# Altium PCB spd150.PcbDoc (part 7 of 16)
Units mm, origin at the board's own origin, x right, y up, seen from the top; angles counter-clockwise.
Board outline 217.35 x 147.5 mm, 10 copper layers (TOP, LYR2-PLN, LYR3-SIG, LYR4-SIG, LYR5-PLN, LYR6-PLN, LYR7-SIG, LYR8-SIG, LYR9-PLN, BOTTOM), stack 2.134 mm thick; 1065 components, 972 nets, 4226 pads, 2810 vias.
Unrouted connection lines stored in the file: 16.
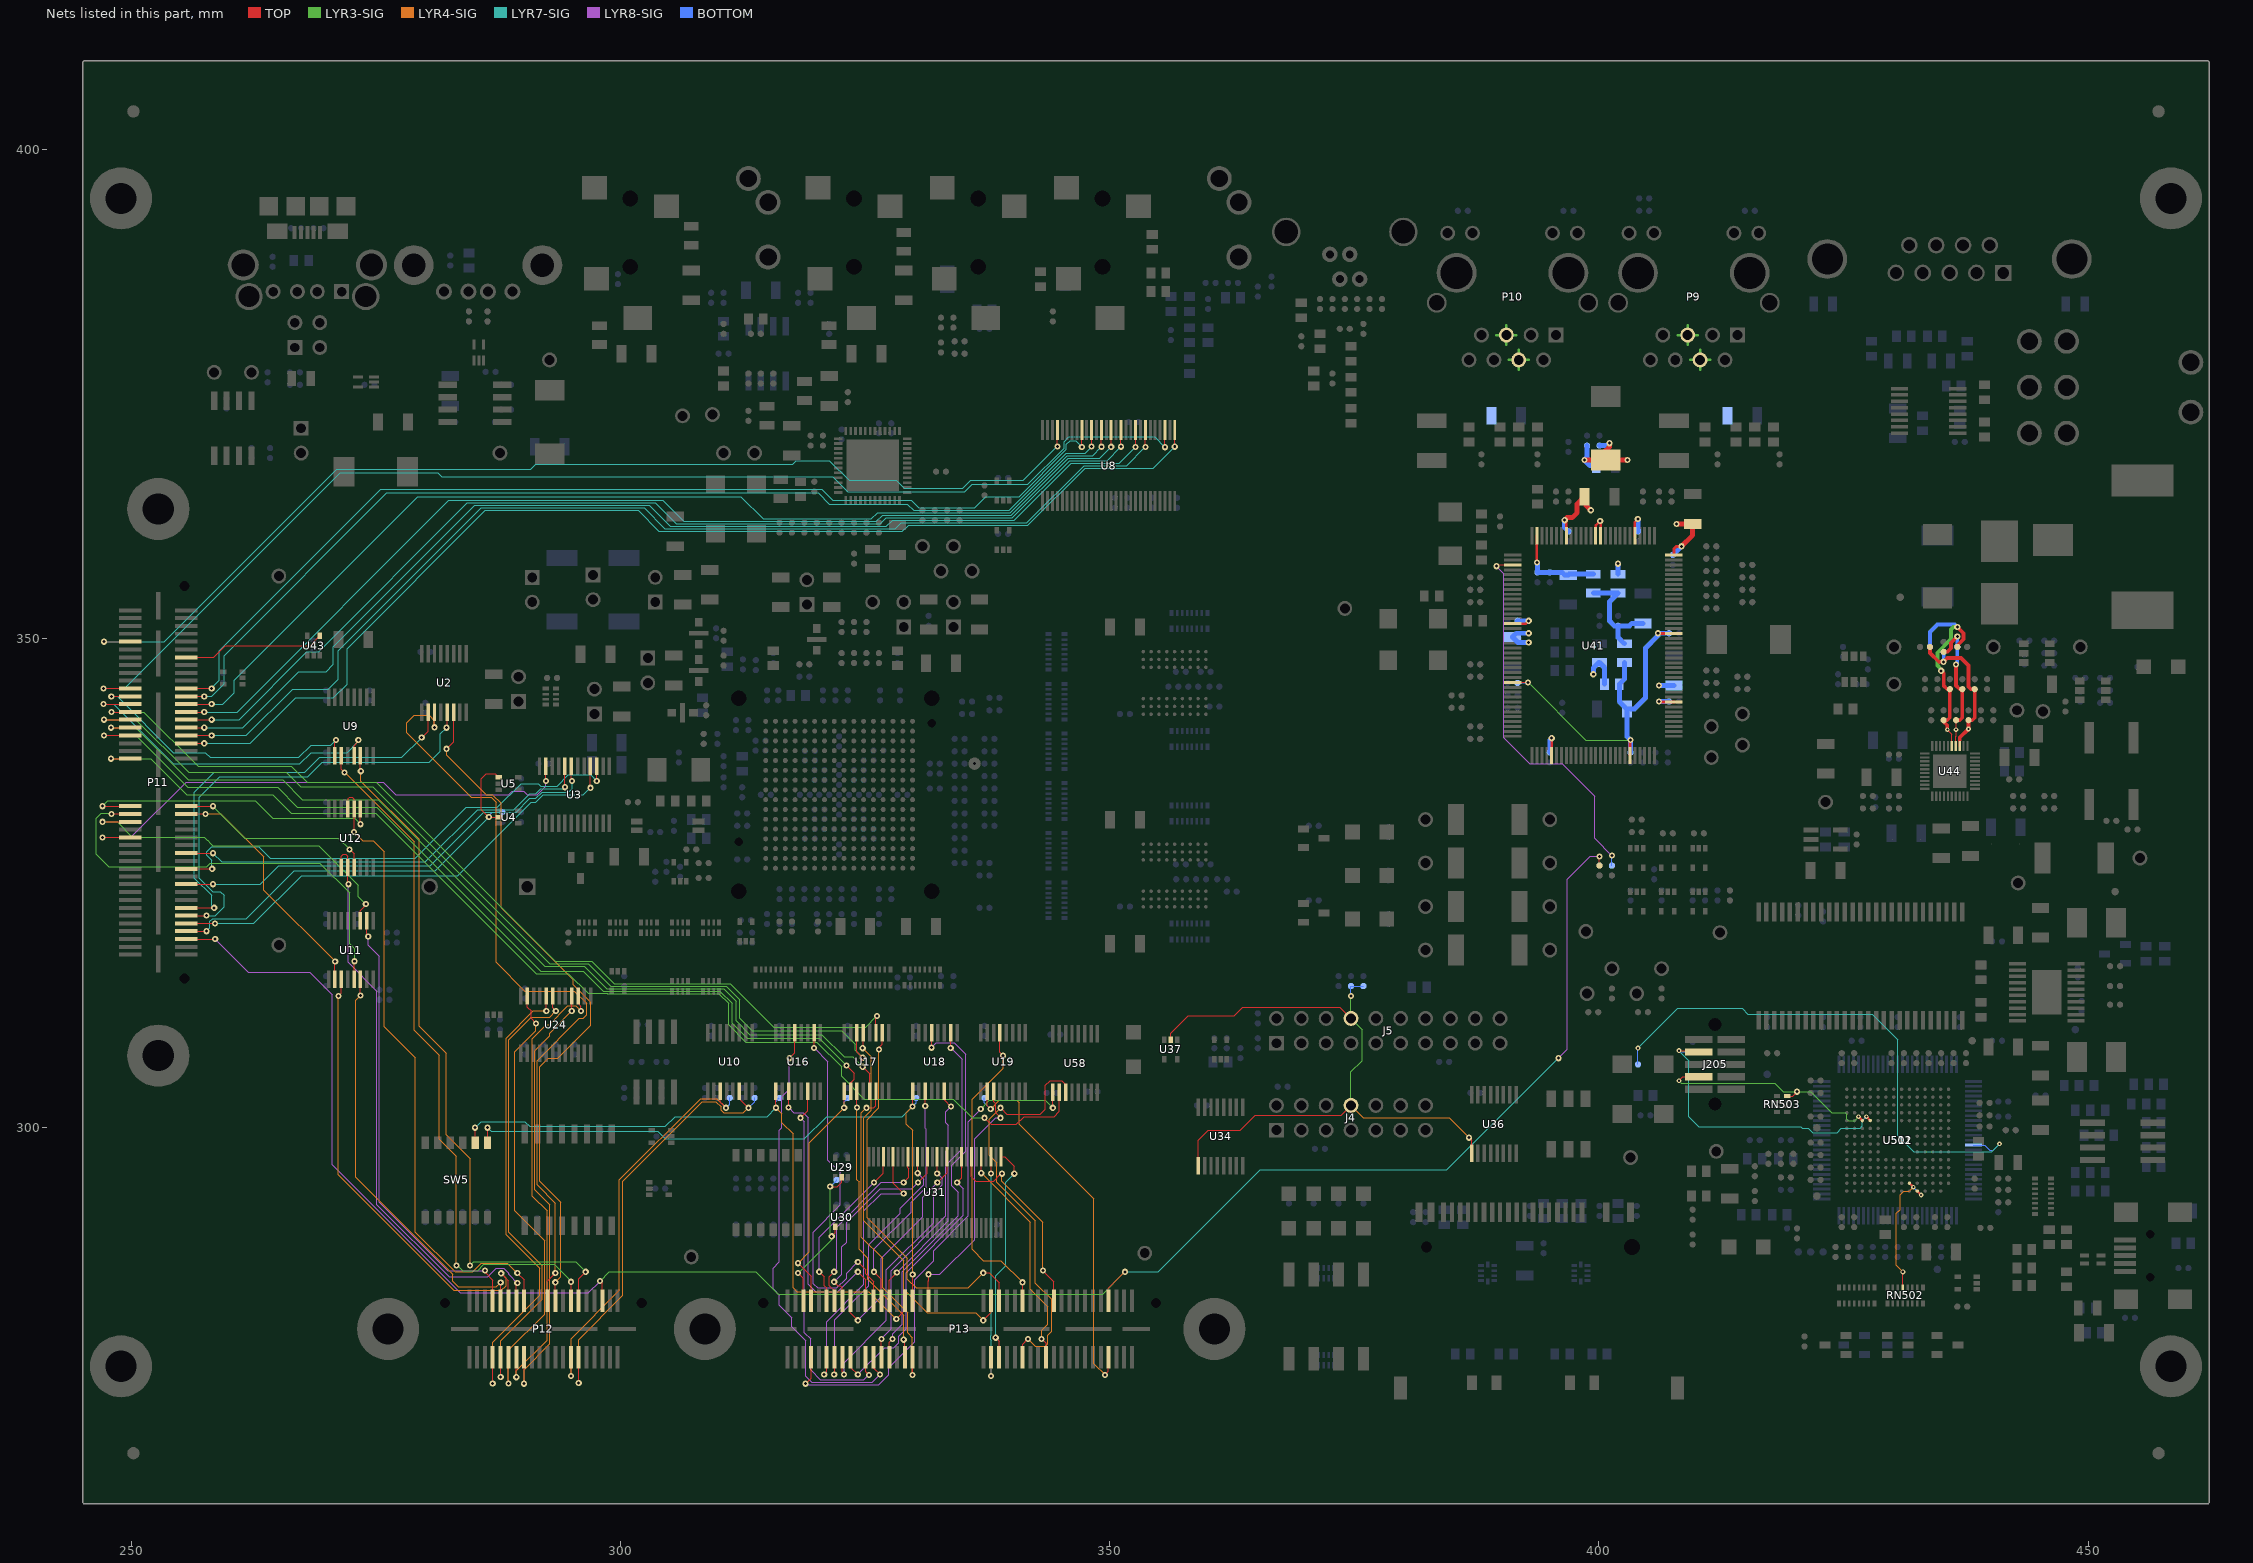
[diagram p15: the nets of this part, all layers, seen from the top]

## Via types
v1: diameter 0.635, hole 0.305, TOP to BOTTOM, 2018 vias
v2: diameter 0.483, hole 0.203, TOP to BOTTOM, 651 vias
v3: diameter 0.508, hole 0.254, TOP to BOTTOM, 120 vias
v4: diameter 0.559, hole 0.254, TOP to BOTTOM, 21 vias

## Nets (pads, with @x,y where several pads share a name; then routed paths per layer and width w, separated by ;. In a path a pad name is that pad's centre, name@x,y a point inside that pad or via, vN(x,y) a via of type N, cw(c..) or ccw(c..) an arc to the next point about the centre after c; other vN are vias at no path point) (continued)
EMU05509: J205.4 R514.2 U502.K11 | length 31.1
  TOP w0.127: v3(408.178,307.848) 410.083,307.848 J205.4@410.21,307.721
  TOP w0.254: v2(427.327,301.104) U502.K11@427.728,300.706
  LYR7-SIG w0.102: 422.783,299.453 424.345,299.453 424.574,299.682 424.574,299.71 424.774,299.911 426.692,299.911 426.933,300.152 426.933,300.711 v2(427.327,301.104)
  LYR7-SIG w0.127: v3(408.178,307.848) 409.194,306.832 409.194,301.087 410.218,300.063 420.629,300.063 420.794,299.898 421.386,299.898 421.83,299.453 422.783,299.453
  BOTTOM w0.127: v3(408.178,307.848) 408.305,307.721 R514.2@409.575,307.721
EMU15509: J205.8 RN503.8 U502.K12 | length 24.5
  TOP w0.127: v3(408.178,304.775) 408.178,304.8 408.559,305.181 J205.8@410.21,305.181 ; RN503.8@419.24,303.21 419.796,303.21 v1(420.243,303.657)
  TOP w0.254: v2(426.527,301.104) U502.K12@426.928,300.706
  LYR3-SIG w0.102: 422.783,302.514 423.799,301.498 425.196,301.498 425.323,301.371 425.323,300.863 425.475,300.711 426.133,300.711 v2(426.527,301.104)
  LYR3-SIG w0.127: v3(408.178,304.775) 408.407,304.546 417.957,304.546 418.846,303.657 v1(420.243,303.657) 421.64,303.657 422.783,302.514
EMU_STS: C149.1 J4.8 J5.8 R174.1 U34.1 U36.1 U37.2 | length 69.9
  TOP w0.127: U37.2@356.235,308.966 356.235,309.626 358.013,311.404 362.712,311.404 363.601,312.293 373.507,312.293 J5.8@374.65,311.15 ; U34.1@359.039,296.098 359.039,298.714 360.045,299.72 363.347,299.72 364.871,301.244 373.634,301.244 J4.8@374.65,302.26 ; v1(386.715,298.958) 386.979,298.694 U36.1@386.979,297.368
  LYR3-SIG w0.127: J4.8@374.65,302.26 374.65,305.689 375.793,306.832 375.793,310.007 J5.8@374.65,311.15 v1(374.65,313.436)
  LYR4-SIG w0.127: J4.8@374.65,302.26 375.92,300.99 384.683,300.99 v1(386.715,298.958)
  BOTTOM w0.127: v1(374.65,313.436) R174.1@374.65,314.452 C149.1@375.92,314.452
ENABLE_1V2: C269.1 R329.2 R359.2 R360.2 U44.25 | length 22
  TOP w0.127: v2(435.61,340.665) 436.065,340.21 U44.25@436.065,338.988
  TOP w0.381: v1(434.975,346.685) 435.229,346.431 435.229,345.186 435.61,344.805 R329.2@435.864,344.805 435.864,341.884 435.61,341.63 C269.1@435.229,341.63 435.229,341.503 435.61,341.122 v2(435.61,340.665) ; R360.2@436.626,349.123 436.626,349.275 437.261,349.91 437.261,350.52 v1(436.626,351.155)
  LYR3-SIG w0.381: v1(434.975,346.685) 434.972,346.834 434.594,347.213 434.594,348.529 435.991,349.926 435.991,350.901 436.245,351.155 v1(436.626,351.155)
  BOTTOM w0.381: R359.2@433.832,349.123 433.832,350.647 434.594,351.409 436.372,351.409 v1(436.626,351.155)
ENABLE_1V8: C268.1 R328.2 R361.2 R362.2 U44.24 | length 14.5
  TOP w0.127: U44.24@436.463,338.988 436.463,339.979 436.499,340.015 v2(436.499,340.665) C268.1@436.499,341.63
  TOP w0.381: R361.2@435.229,348.615 435.61,348.615 435.991,348.996 435.991,349.555 v1(436.626,350.19) ; C268.1@436.499,341.63 436.88,341.63 437.134,341.884 R328.2@437.134,344.805 436.88,344.805 436.499,345.186 v1(436.499,347.32)
  BOTTOM w0.381: v1(436.499,347.32) 436.626,347.447 R362.2@436.626,349.123 v1(436.626,350.19)
ENABLE_3V3: C267.1 R327.2 R364.2 R365.2 U44.23 | length 16
  TOP w0.203: U44.23@436.865,338.988 436.865,339.598
  TOP w0.381: R365.2@433.832,349.123 433.832,348.488 434.721,347.599 v1(435.229,347.599) 435.61,347.98 437.007,347.98 437.769,347.218 437.769,345.059 438.023,344.805 R327.2@438.404,344.805 438.404,341.884 438.15,341.63 C267.1@437.769,341.63 v2(437.769,340.741) 436.865,339.837 436.865,339.598
  BOTTOM w0.381: v1(435.229,347.599) R364.2@435.229,348.615
ENET_1V2: C212.1 C213.1 L20.1 L22.1 L23.1 | length 11.6
  BOTTOM w0.508: L22.1@399.415,354.635 L23.1@401.955,354.635 401.066,353.746 401.066,351.79 401.574,351.282 C213.1@401.955,351.282 ; L20.1@402.59,349.453 401.955,350.088 C213.1@401.955,351.282 ; C212.1@404.495,351.536 403.352,351.536 403.098,351.282 C213.1@401.955,351.282
ENET_RESET: R354.1 U41.67 | length 39.2
  TOP w0.127: v1(389.509,357.378) 389.639,357.508 U41.67@391.185,357.508
  LYR8-SIG w0.127: v1(389.509,357.378) 390.271,356.616 390.271,339.852 392.938,337.185 396.24,337.185 399.542,333.883 399.542,329.565 v1(401.32,327.787)
  BOTTOM w0.127: R354.1@401.32,326.771 v1(401.32,327.787)
ENET_VDDA: C220.1 C221.1 C222.1 C223.1 C224.1 L23.2 U41.38 U41.43 U41.57 | length 19.5
  TOP w0.254: v1(396.494,362.077) 396.662,361.909 U41.57@396.662,360.477 ; U41.43@403.669,360.477 403.669,361.881 v1(403.972,362.184)
  TOP w0.305: U41.38@407.645,358.508 407.645,359.131 407.924,359.41 v1(408.432,359.41)
  TOP w0.508: v1(396.494,362.077) 396.748,362.331 397.256,362.331 397.764,362.839 397.764,363.728 C220.1@398.526,364.49 398.653,364.363 398.653,363.601 v1(399.161,363.093) ; v1(407.924,361.696) C221.1@409.575,361.696 409.575,360.553 v1(408.432,359.41)
  BOTTOM w0.508: v1(396.494,362.077) 396.494,361.315 C224.1@396.875,360.934 ; L23.2@401.955,356.565 v1(401.955,357.632) ; v1(403.972,362.184) 403.987,362.168 C222.1@403.987,360.934 ; C223.1@407.543,358.521 v1(408.432,359.41)
ENET_VDDAP: C217.1 C218.1 C219.1 L22.2 U41.63 | length 9.6
  TOP w0.254: v1(393.659,357.759) U41.63@393.659,360.477
  BOTTOM w0.508: v1(393.659,357.759) 393.7,357.718 C218.1@393.7,356.743 C219.1@394.97,356.743 396.24,356.743 396.494,356.489 C217.1@396.875,356.489 396.951,356.565 L22.2@399.415,356.565
ENET_VDDATR: C214.1 C215.1 C216.1 C227.1 C231.1 L21.2 P9.4 P9.5 P10.4 P10.5 U41.50 U41.51 | length 29.9
  TOP w0.254: U41.51@399.666,360.477 399.666,361.541 v1(400.126,362.001) 400.167,361.96 U41.50@400.167,360.477
  TOP w0.508: v1(398.526,368.224) C214.1@400.685,368.224 ; v1(401.066,369.951) 401.066,369.57 400.685,369.189 C214.1@400.685,368.224 ; v1(402.92,368.224) C214.1@400.685,368.224
  LYR3-SIG w0.254: 389.509,381 P10.5@390.525,381 ; 390.525,379.984 P10.5@390.525,381 ; 390.525,382.016 P10.5@390.525,381 ; 390.779,378.46 P10.4@391.795,378.46 ; 391.541,381 P10.5@390.525,381 ; 391.795,377.444 P10.4@391.795,378.46 ; 391.795,379.476 P10.4@391.795,378.46 ; 392.811,378.46 P10.4@391.795,378.46 ; 408.051,381 P9.5@409.067,381 ; 409.067,379.984 P9.5@409.067,381 ; 409.067,382.016 P9.5@409.067,381 ; 409.321,378.46 P9.4@410.337,378.46 ; 410.083,381 P9.5@409.067,381 ; 410.337,377.444 P9.4@410.337,378.46 ; 410.337,379.476 P9.4@410.337,378.46 ; 411.353,378.46 P9.4@410.337,378.46
  BOTTOM w0.508: C215.1@398.78,369.697 398.78,368.478 v1(398.526,368.224) 399.085,367.665 L21.2@399.72,367.665 ; C216.1@400.05,369.697 400.812,369.697 v1(401.066,369.951)
ENET_VDDC: C208.1 C209.1 C210.1 C211.1 L20.2 R290.1 U41.22 U41.91 U41.123 | length 39.4
  TOP w0.127: U41.91@391.185,345.496 v1(392.755,345.496)
  TOP w0.305: U41.123@403.169,338.023 403.169,339.542 v1(403.225,339.598) ; v1(406.019,350.52) 406.037,350.502 U41.22@407.645,350.502
  LYR3-SIG w0.127: v1(392.755,345.496) 398.653,339.598 v1(403.225,339.598)
  BOTTOM w0.127: C209.1@391.668,345.44 392.699,345.44 v1(392.755,345.496)
  BOTTOM w0.508: L20.2@402.59,347.523 402.59,345.821 R290.1@402.082,345.313 402.082,343.535 C211.1@402.844,342.773 ; C208.1@403.225,338.328 v1(403.225,339.598) 402.844,339.979 C211.1@402.844,342.773 ; C210.1@407.162,350.52 v1(406.019,350.52) 406.019,350.266 404.749,348.996 404.749,343.916 403.606,342.773 C211.1@402.844,342.773
ENET_VDDIO: C201.1 C202.1 C204.1 C205.1 C206.1 L19.2 R290.2 U41.8 U41.79 U41.107 | length 17.9
  TOP w0.254: U41.79@391.185,351.503 392.524,351.503 v1(392.811,351.79) ; U41.107@395.16,338.023 v1(395.16,339.788)
  TOP w0.305: v1(406.121,343.535) 406.161,343.494 U41.8@407.645,343.494
  BOTTOM w0.508: C204.1@391.668,351.79 v1(392.811,351.79) ; v1(392.811,349.58) 391.719,349.58 C202.1@391.16,350.139 391.541,350.52 v1(392.811,350.52) ; C205.1@394.97,338.328 394.97,339.598 v1(395.16,339.788) ; v1(399.415,346.329) 399.415,346.964 399.974,347.523 L19.2@400.05,347.523 400.558,347.015 R290.2@400.558,345.313 ; v1(406.121,343.535) C206.1@407.162,343.535 ; v1(406.146,345.186) C201.1@407.67,345.186
EQEP0A: P12.13 U24.15 | length 46.8
  TOP w0.127: v1(289.331,274.472) P12.13@289.331,276.53 ; U24.15@295.646,313.436 295.646,312.674 295.935,312.384 v1(295.935,311.912)
  LYR4-SIG w0.127: v1(289.331,274.472) 289.331,275.107 292.481,278.257 292.481,291.465 290.957,292.989 290.957,309.075 292.397,310.515 292.692,310.515 294.597,312.42 295.402,312.42 295.91,311.912 v1(295.935,311.912)
EQEP0B: P12.15 U24.16 | length 45.6
  TOP w0.127: v1(290.119,273.812) P12.15@290.119,276.53 ; v1(294.996,311.912) U24.16@294.996,313.436
  LYR4-SIG w0.127: v1(290.119,273.812) 290.119,275.26 292.735,277.876 292.735,292.1 291.211,293.624 291.211,307.848 292.735,309.372 292.735,309.651 v1(294.996,311.912)
EXP1_AFSX0: P11.14 U43.4 | length 14.6
  TOP w0.127: P11.14@255.6,348.056 258.394,348.056 259.588,349.25 268.265,349.25 U43.4@269.255,350.241
EXP1_AMUTE2: P11.39 U58.2 | length 118.7
  TOP w0.127: v1(247.904,337.693) P11.39@249.86,337.693 ; v1(337.185,300.99) 337.861,300.314 340.446,300.314 341.249,301.117 344.297,301.117 344.83,301.65 U58.2@344.83,303.591
  LYR3-SIG w0.127: v1(247.904,337.693) 251.968,337.693 255.651,334.01 264.414,334.01 266.319,332.105 274.975,332.105 291.358,315.722 294.64,315.722 296.667,313.695 298.633,313.695 298.638,313.69 310.007,313.69 311.023,312.674 311.023,310.515 312.801,308.737 320.04,308.737 322.58,306.197 322.58,305.224 324.909,302.895 334.01,302.895 335.915,300.99 v1(337.185,300.99)
EXP1_AXR0_12: P11.27 U17.11 | length 95.7
  TOP w0.127: v1(247.955,342.468) P11.27@249.86,342.468 ; U17.11@326.095,309.692 326.095,311.313 v1(326.187,311.404)
  LYR3-SIG w0.127: v1(247.955,342.468) 251.257,342.468 256.794,336.931 266.319,336.931 267.97,335.28 274.996,335.28 293.284,316.992 297.053,316.992 299.334,314.711 303.014,314.711 303.019,314.706 311.175,314.706 315.62,310.261 325.044,310.261 v1(326.187,311.404)
EXP1_AXR0_13: P11.29 U17.14 | length 98.8
  TOP w0.127: v1(247.193,341.681) P11.29@249.86,341.681 ; U17.14@324.145,309.692 324.145,307.731 v1(324.739,307.137)
  LYR3-SIG w0.127: v1(247.193,341.681) 250.444,341.681 255.829,336.296 265.811,336.296 267.272,334.835 274.637,334.835 292.738,316.735 296.675,316.735 298.958,314.452 310.769,314.452 312.166,313.055 312.166,311.15 313.436,309.88 322.58,309.88 323.977,308.483 323.977,307.899 v1(324.739,307.137)
EXP1_AXR0_14: P11.31 U17.5 | length 97.1
  TOP w0.127: v1(247.904,340.868) P11.31@249.86,340.868 ; v1(324.739,306.197) 325.445,305.491 U17.5@325.445,303.718
  LYR3-SIG w0.127: v1(247.904,340.868) 250.444,340.868 255.778,335.534 265.43,335.534 267.462,333.502 275.209,333.502 292.23,316.481 296.294,316.481 298.572,314.203 298.846,314.203 298.851,314.198 310.515,314.198 311.785,312.928 311.785,310.896 313.182,309.499 320.548,309.499 322.834,307.213 323.723,307.213 v1(324.739,306.197)
EXP1_AXR0_15: P11.33 U17.2 | length 96.9
  TOP w0.127: v1(247.167,340.081) P11.33@249.86,340.081 ; v1(323.088,306.324) 323.85,305.562 323.85,304.927 323.494,304.571 U17.2@323.494,303.718
  LYR3-SIG w0.127: v1(247.167,340.081) 250.444,340.081 255.753,334.772 264.922,334.772 266.954,332.74 275.082,332.74 291.846,315.976 296.164,315.976 298.191,313.949 298.74,313.949 298.745,313.944 310.134,313.944 311.404,312.674 311.404,310.642 312.928,309.118 320.294,309.118 v1(323.088,306.324)
EXP1_SEL_MCASP1: P11.74 R19.1 U4.2 U5.1 | length 45.3
  TOP w0.127: P11.74@255.6,320.065 v1(257.658,320.065) ; U4.2@287.553,331.724 v1(286.512,331.724) 285.75,332.486 285.75,335.661 286.258,336.169 287.188,336.169 U5.1@287.553,335.803
  LYR7-SIG w0.127: v1(257.658,320.065) 258.013,320.421 258.013,321.064 258.31,321.361 261.747,321.361 266.649,326.263 281.051,326.263 v1(286.512,331.724)
  BOTTOM w0.127: v1(286.512,331.724) 286.512,331.851 286.893,332.232 R19.1@287.909,332.232
EXP1_SPI1_CLK: P11.44 U11.2 | length 25.3
  TOP w0.127: P11.44@255.6,332.054 v1(257.556,332.054) ; U11.2@270.789,315.148 270.789,316.941 v1(270.815,316.967)
  LYR4-SIG w0.127: v1(257.556,332.054) 259.131,332.054 263.525,327.66 263.525,324.256 v1(270.815,316.967)
EXP1_SPI1_ENAN: P11.41 U12.11 | length 31.9
  TOP w0.127: v1(247.04,332.842) P11.41@249.86,332.842 ; v1(273.39,331.003) U12.11@273.39,332.552
  LYR3-SIG w0.127: v1(247.04,332.842) 247.574,333.375 262.636,333.375 264.414,331.597 272.796,331.597 v1(273.39,331.003)
EXP1_SPI1_SCSN: P11.42 U12.5 | length 20.5
  TOP w0.127: P11.42@255.6,332.842 v1(258.318,332.842) ; v1(272.288,328.422) 272.74,327.97 U12.5@272.74,326.578
  LYR3-SIG w0.127: v1(258.318,332.842) 261.595,329.565 271.145,329.565 v1(272.288,328.422)
EXP1_SPI1_SIMO: P11.43 U11.5 | length 44.3
  TOP w0.127: v1(247.955,332.054) P11.43@249.86,332.054 ; U11.5@272.74,315.148 272.74,316.936 v1(272.796,316.992)
  LYR3-SIG w0.127: v1(247.955,332.054) 247.904,332.105 246.888,332.105 246.38,331.597 246.38,327.914 247.65,326.644 257.683,326.644 258.064,327.025 269.24,327.025 272.288,323.977 272.288,318.77 272.796,318.262 v1(272.796,316.992)
EXP2.SPI0_CLK: P12.11 U24.23 | length 46.4
  TOP w0.127: v1(288.519,273.837) P12.11@288.519,276.53 ; U24.23@290.444,313.436 290.444,312.298 290.83,311.912 290.83,311.15 v1(291.338,310.642)
  LYR4-SIG w0.127: v1(288.519,273.837) 288.519,277.216 292.227,280.924 292.227,288.417 289.179,291.465 289.179,307.721 291.338,309.88 v1(291.338,310.642)
EXP2.SPI0_SIMO: P12.9 U24.19 | length 47.4
  TOP w0.127: v1(287.731,274.498) P12.9@287.731,276.53 ; U24.19@293.045,313.436 293.045,312.237 v1(293.37,311.912)
  LYR4-SIG w0.127: v1(287.731,274.498) 287.731,278.206 291.973,282.448 291.973,285.877 289.992,287.858 289.984,287.858 289.687,288.155 289.687,288.163 288.544,289.306 288.544,308.991 290.83,311.277 292.735,311.277 v1(293.37,311.912)
EXP2.SPI0_SOMI: P12.7 U24.20 | length 48.2
  TOP w0.127: v1(286.918,273.837) P12.7@286.918,276.53 ; v1(292.395,311.912) U24.20@292.395,313.436
  LYR4-SIG w0.127: v1(286.918,273.837) 286.918,278.028 291.719,282.829 291.719,285.623 288.29,289.052 288.29,309.118 291.084,311.912 v1(292.395,311.912)
EXP2_SPI1_CLK: P12.12 U11.3 | length 46.9
  TOP w0.127: v1(271.145,313.436) 271.44,313.731 U11.3@271.44,315.148 ; v1(287.782,285.09) 288.519,284.353 P12.12@288.519,282.27
  LYR4-SIG w0.127: v1(271.145,313.436) 271.145,295.148 282.956,283.337 287.782,283.337 288.29,283.845 288.29,284.582 v1(287.782,285.09)
EXP2_SPI1_ENAN: P12.16 U12.12 U12.13 | length 65.3
  TOP w0.127: U12.13@272.09,332.552 272.09,332.669 272.161,332.74 272.161,333.629 272.288,333.756 272.542,333.756 272.74,333.558 U12.12@272.74,332.552 v1(272.74,330.2) ; v1(289.433,285.115) 290.119,284.429 P12.16@290.119,282.27
  LYR4-SIG w0.127: v1(272.74,330.2) 273.629,329.311 274.701,329.311 275.844,328.168 275.844,310.286 279.019,307.111 279.019,289.306 283.083,285.242 284.861,285.242 285.75,286.131 288.417,286.131 v1(289.433,285.115)
EXP2_SPI1_SCSN: P12.14 U12.3 U12.4 | length 59.2
  TOP w0.127: U12.3@271.44,326.578 271.44,327.701 271.653,327.914 271.907,327.914 272.09,327.731 U12.4@272.09,326.578 272.09,324.937 v1(272.161,324.866) ; P12.14@289.331,282.27 289.331,283.997 v1(289.433,284.099)
  LYR8-SIG w0.127: v1(272.161,324.866) 272.161,316.865 275.082,313.944 275.082,292.1 282.448,284.734 286.385,284.734 287.274,285.623 288.036,285.623 288.544,285.115 288.544,284.988 v1(289.433,284.099)
EXP2_SPI1_SIMO: P12.10 U11.6 | length 42.4
  TOP w0.127: v1(273.39,313.477) U11.6@273.39,315.148 ; P12.10@287.731,282.27 v1(287.731,284.15)
  LYR4-SIG w0.127: v1(273.39,313.477) 272.923,313.009 272.923,294.894 282.829,284.988 282.829,284.269 283.38,283.718 287.299,283.718 v1(287.731,284.15)
EXP2_SPI1_SOMI: P12.8 U11.10 | length 46.4
  TOP w0.127: U11.10@274.041,321.122 274.041,319.684 v1(274.193,319.532) ; v1(286.131,285.369) 286.131,285.191 286.918,284.404 P12.8@286.918,282.27
  LYR8-SIG w0.127: v1(274.193,319.532) 274.193,318.643 275.336,317.5 275.336,292.354 282.321,285.369 v1(286.131,285.369)
EXP2_TMP64P0_IN12: P12.29 R41.2 U10.6 | length 45.6
  TOP w0.127: v1(295.707,273.888) P12.29@295.707,276.53 ; U10.6@312.125,303.718 312.125,302.936 v1(313.055,302.006)
  LYR4-SIG w0.127: v1(295.707,273.888) 295.707,278.308 300.228,282.829 300.228,294.513 308.356,302.641 309.728,302.641 310.261,302.108 310.261,301.752 310.515,301.498 312.547,301.498 v1(313.055,302.006)
  BOTTOM w0.127: v1(313.055,302.006) 313.69,302.641 R41.2@313.69,303.022
EXP2_TMP64P0_OUT12: P12.27 R43.2 U10.3 | length 41.9
  TOP w0.127: v1(294.919,274.599) P12.27@294.919,276.53 ; U10.3@310.175,303.718 310.175,302.6 v1(310.769,302.006)
  LYR4-SIG w0.127: v1(294.919,274.599) 294.919,278.409 299.847,283.337 299.847,294.64 308.166,302.959 309.816,302.959 v1(310.769,302.006)
  BOTTOM w0.127: v1(310.769,302.006) 311.15,302.387 R43.2@311.15,303.022
EXP2_UART1_RXD: P12.28 U9.3 | length 71.9
  TOP w0.127: U9.3@271.44,338.008 271.44,336.636 v1(271.78,336.296) ; P12.28@294.919,282.27 v1(294.919,284.226)
  LYR3-SIG w0.127: v1(283.21,285.877) 283.337,285.877 283.845,285.369 285.369,285.369 286.004,286.004 293.192,286.004 294.919,284.277 v1(294.919,284.226)
  LYR4-SIG w0.127: v1(271.78,336.296) 278.892,329.184 278.892,309.931 281.457,307.365 281.457,298.806 283.21,297.053 v1(283.21,285.877)
EXP2_UART1_TXD: P12.30 U9.6 | length 72.4
  TOP w0.127: U9.6@273.39,338.008 273.39,336.464 v1(273.431,336.423) ; P12.30@295.707,282.27 295.707,284.531 v1(296.418,285.242)
  LYR3-SIG w0.127: v1(284.607,285.877) 284.988,286.258 295.402,286.258 v1(296.418,285.242)
  LYR4-SIG w0.127: v1(273.431,336.423) 273.431,335.407 279.4,329.438 279.4,310.337 282.169,307.569 282.169,299.237 284.607,296.799 v1(284.607,285.877)
EXP3_EMIFA_CLK: P13.38 U19.3 | length 25.8
  TOP w0.127: P13.38@331.445,282.27 331.445,284.328 331.47,284.353 v1(331.47,284.988) ; U19.3@338.115,303.718 338.115,302.641 338.328,302.428 338.328,301.498 v1(338.836,300.99)
  LYR8-SIG w0.127: v1(331.47,284.988) 332.613,284.988 336.169,288.544 336.169,298.831 338.328,300.99 v1(338.836,300.99)
EXP3_EMIFA_CS3N: P13.51 U58.3 | length 42.6
  TOP w0.127: v1(338.836,302.006) 339.471,301.371 342.9,301.371 343.408,301.879 343.408,304.292 343.916,304.8 345.059,304.8 345.481,304.378 U58.3@345.481,303.591 ; P13.51@341.071,276.53 341.071,277.825 v1(341.63,278.384)
  LYR4-SIG w0.127: v1(338.836,302.006) 337.693,300.863 337.693,297.18 338.455,296.418 338.455,294.386 342.392,290.449 342.392,284.099 344.043,282.448 344.043,279.146 343.662,278.765 343.662,277.876 343.408,277.622 342.392,277.622 v1(341.63,278.384)
EXP3_EMIFA_OEN: P13.44 U17.13 | length 40.4
  TOP w0.127: v1(324.739,308.102) 324.795,308.158 U17.13@324.795,309.692 ; v1(337.058,280.289) 337.871,281.102 P13.44@337.871,282.27
  LYR4-SIG w0.127: v1(324.739,308.102) 325.628,307.213 325.628,301.752 324.866,300.99 324.866,290.449 328.93,286.385 328.93,283.464 331.343,281.051 336.296,281.051 v1(337.058,280.289)
EXP3_EMIFA_WEN: P13.46 U17.10 | length 40.2
  TOP w0.127: v1(326.39,307.975) 326.39,308.127 326.746,308.483 U17.10@326.746,309.692 ; v1(337.058,285.14) 337.668,285.14 338.684,284.124 P13.46@338.684,282.27
  LYR4-SIG w0.127: v1(326.39,307.975) 326.39,302.006 325.196,300.812 325.196,290.754 329.311,286.639 329.311,284.48 330.2,283.591 335.509,283.591 v1(337.058,285.14)
EXP3_EMIFA_WEN_DQM0: P13.31 U17.3 | length 29.2
  TOP w0.127: v1(324.145,302.047) U17.3@324.145,303.718 ; v1(328.93,278.308) 328.93,278.257 329.057,278.13 P13.31@329.057,276.53
  LYR4-SIG w0.127: v1(324.145,302.047) 324.145,294.64 324.358,294.427 324.358,287.528 325.247,286.639 325.247,284.48 328.93,280.797 v1(328.93,278.308)
EXP3_EMIFA_WEN_DQM1: P13.33 U17.6 | length 34.3
  TOP w0.127: v1(325.12,302.006) 325.882,302.006 326.095,302.219 U17.6@326.095,303.718 ; v1(329.819,274.701) 329.819,274.574 329.844,274.599 P13.33@329.844,276.53
  LYR4-SIG w0.127: v1(325.12,302.006) 324.612,301.498 324.612,288.798 326.771,286.639 326.771,283.616 329.336,281.051 329.336,278.994 329.819,278.511 v1(329.819,274.701)
EXP3_SEL_MEM: P13.8 R84.1 U17.1 | length 25.1
  TOP w0.127: v1(318.135,286.131) 319.456,284.81 P13.8@319.456,282.27 ; v1(322.844,302.016) U17.1@322.844,303.718
  LYR4-SIG w0.127: v1(318.135,286.131) 319.278,287.274 319.278,298.45 v1(322.844,302.016)
  BOTTOM w0.127: v1(322.844,302.016) 322.844,302.651 R84.1@323.215,303.022
EXP3_SEL_MEM_CTL: P13.7 U58.1 | length 52.6
  TOP w0.127: v1(318.897,273.812) 319.456,274.371 P13.7@319.456,276.53 ; v1(344.17,302.006) 344.17,303.581 U58.1@344.18,303.591
  LYR3-SIG w0.127: v1(336.804,301.879) 337.693,302.768 343.408,302.768 v1(344.17,302.006)
  LYR8-SIG w0.127: v1(318.897,273.812) 319.024,273.685 326.39,273.685 327.406,274.701 327.406,275.463 330.048,278.105 330.048,284.447 330.352,284.752 330.352,284.759 331.978,286.385 331.978,287.401 335.534,290.957 335.534,300.609 v1(336.804,301.879)
EXP3_SEL_MEM_CTL2: P13.73 R89.1 U19.2 | length 40.2
  TOP w0.127: U19.2@337.464,303.718 337.464,302.235 v1(337.82,301.879) ; v1(349.504,274.701) 349.86,275.057 P13.73@349.86,276.53
  LYR4-SIG w0.127: v1(337.82,301.879) 338.709,302.768 340.487,302.768 340.741,302.514 340.741,300.355 348.361,292.735 348.361,275.844 v1(349.504,274.701)
  BOTTOM w0.127: R89.1@337.185,303.022 337.185,302.514 v1(337.82,301.879)
EXP3_SEL_MEMD0_7: P13.6 R151.1 U29.2 U30.1 | length 17.3
  TOP w0.127: v1(318.135,285.115) 318.668,284.582 P13.6@318.668,282.27 ; v1(321.412,293.954) 322.148,293.954 322.58,294.386 U29.2@322.58,294.919 ; v1(321.564,288.874) 321.93,289.24 U30.1@321.93,289.839
  LYR3-SIG w0.127: v1(318.135,285.115) 321.564,288.544 v1(321.564,288.874) 321.412,289.027 v1(321.412,293.954)
  BOTTOM w0.127: v1(321.412,293.954) 322.072,294.615 R151.1@322.072,294.64
EXP3_SEL_MEMD8_D11: P13.32 R83.1 SW5.8 U16.1 | length 69.6
  TOP w0.127: SW5.8@285.115,298.45 v1(285.115,299.974) ; v1(315.859,302.016) U16.1@315.859,303.718 ; v1(328.168,280.416) 329.057,281.305 P13.32@329.057,282.27
  LYR4-SIG w0.127: v1(315.859,302.016) 316.484,301.391 316.484,300.482 317.627,299.339 317.627,283.591 318.008,283.21 325.374,283.21 v1(328.168,280.416)
  LYR7-SIG w0.127: v1(285.115,299.974) 285.75,300.609 290.195,300.609 290.703,300.101 304.546,300.101 305.562,301.117 314.96,301.117 v1(315.859,302.016)
  BOTTOM w0.127: v1(315.859,302.016) 315.859,302.651 R83.1@316.23,303.022
EXP3_SEL_MEMD12_D15: P13.34 R88.1 SW5.7 U18.1 | length 69.8
  TOP w0.127: SW5.7@286.385,298.45 v1(286.385,299.974) ; v1(329.829,302.158) U18.1@329.829,303.718 ; P13.34@329.844,282.27 v1(329.844,284.963)
  LYR4-SIG w0.127: v1(329.829,302.158) 329.184,301.513 329.184,300.355 329.829,299.71 329.829,284.978 v1(329.844,284.963)
  LYR7-SIG w0.127: v1(286.385,299.974) 286.766,299.593 303.784,299.593 304.546,298.831 318.77,298.831 321.056,301.117 328.788,301.117 v1(329.829,302.158)
  BOTTOM w0.127: v1(329.829,302.158) 330.2,302.529 R88.1@330.2,303.022
EXP_ACLKX1: P11.58 U3.15 | length 50.7
  TOP w0.127: P11.58@255.6,326.441 v1(258.242,326.441) ; v1(297.551,335.407) U3.15@297.551,336.931
  LYR7-SIG w0.127: v1(258.242,326.441) 258.191,326.492 258.191,327.337 257.683,327.845 257.683,328.168 258.191,328.676 263.017,328.676 264.16,327.533 279.019,327.533 284.226,332.74 287.401,332.74 289.814,335.153 291.592,335.153 291.846,334.899 293.497,334.899 294.64,336.042 296.916,336.042 v1(297.551,335.407)
EXP_AFSX1: P11.54 U3.20 | length 44.4
  TOP w0.127: P11.54@255.6,328.041 v1(258.318,328.041) ; v1(294.3,334.787) U3.20@294.3,336.931
  LYR7-SIG w0.127: v1(258.318,328.041) 259.207,327.152 280.035,327.152 285.369,332.486 289.052,332.486 290.703,334.137 291.338,334.137 291.846,334.645 294.157,334.645 v1(294.3,334.787)
EXP_AHCLKR0: P11.9 U8.53 | length 112.5
  TOP w0.127: v1(247.167,349.656) P11.9@249.86,349.656 ; v1(344.637,369.611) U8.53@344.637,371.297
  LYR7-SIG w0.127: v1(247.167,349.656) 253.365,349.656 270.993,367.284 290.805,367.284 291.338,367.817 317.602,367.817 317.957,368.173 321.31,368.173 323.342,366.141 328.168,366.141 328.981,365.328 334.975,365.328 335.788,366.141 341.168,366.141 v1(344.637,369.611)
EXP_AHCLKX1: P11.49 U3.23 | length 53.8
  TOP w0.127: v1(247.015,329.641) P11.49@249.86,329.641 ; U3.23@292.349,336.931 292.349,335.412 v1(292.354,335.407)
  LYR8-SIG w0.127: v1(247.015,329.641) 249.936,329.641 255.575,335.28 275.717,335.28 276.987,334.01 288.544,334.01 288.925,334.391 290.068,334.391 290.449,334.01 291.465,334.01 292.354,334.899 v1(292.354,335.407)
EXP_AXR0[0]: P11.22 U8.48 | length 107.7
  TOP w0.127: P11.22@255.6,344.881 v1(258.191,344.881) ; v1(347.137,369.57) U8.48@347.137,371.297
  LYR7-SIG w0.127: v1(258.191,344.881) 258.191,344.932 258.953,345.694 258.953,348.742 275.463,365.252 320.548,365.252 321.691,364.109 329.692,364.109 330.454,363.347 336.169,363.347 337.312,364.49 340.741,364.49 345.567,369.316 345.567,369.824 345.948,370.205 346.502,370.205 v1(347.137,369.57)
EXP_AXR0[1]: P11.24 U8.46 | length 108
  TOP w0.127: P11.24@255.6,344.068 v1(257.429,344.068) ; v1(348.135,369.598) U8.46@348.135,371.297
  LYR7-SIG w0.127: v1(257.429,344.068) 258.191,344.068 259.461,345.338 259.461,348.234 276.098,364.871 320.167,364.871 321.31,363.728 329.311,363.728 329.946,363.093 339.717,363.093 345.559,368.935 347.472,368.935 v1(348.135,369.598)
EXP_AXR0[2]: P11.26 U8.44 | length 108.8
  TOP w0.127: P11.26@255.6,343.281 v1(258.191,343.281) ; v1(349.136,369.583) U8.44@349.136,371.297
  LYR7-SIG w0.127: v1(258.191,343.281) 259.334,343.281 260.477,344.424 260.477,345.694 279.273,364.49 312.293,364.49 314.579,362.204 325.628,362.204 326.263,362.839 339.824,362.839 345.666,368.681 348.234,368.681 v1(349.136,369.583)
EXP_AXR0[3]: P11.28 U8.42 | length 109.3
  TOP w0.127: P11.28@255.6,342.468 v1(257.429,342.468) ; v1(350.134,369.575) U8.42@350.134,371.297
  LYR7-SIG w0.127: v1(257.429,342.468) 260.807,342.468 282.43,364.091 304.31,364.091 306.451,361.95 326.136,361.95 326.771,362.585 339.931,362.585 345.773,368.427 348.986,368.427 v1(350.134,369.575)
EXP_AXR0[4]: P11.30 U8.40 | length 110.6
  TOP w0.127: P11.30@255.6,341.681 v1(258.191,341.681) ; v1(351.135,369.59) U8.40@351.135,371.297
  LYR7-SIG w0.127: v1(258.191,341.681) 260.985,341.681 267.919,348.615 269.113,348.615 284.335,363.837 303.548,363.837 305.689,361.696 326.517,361.696 327.152,362.331 340.037,362.331 345.879,368.173 349.717,368.173 v1(351.135,369.59)
EXP_AXR0[5]: P11.32 U8.37 | length 113.5
  TOP w0.127: P11.32@255.6,340.868 v1(257.429,340.868) ; v1(352.633,369.57) U8.37@352.633,371.297
  LYR7-SIG w0.127: v1(257.429,340.868) 261.366,340.868 267.081,346.583 269.875,346.583 270.637,347.345 270.637,349.123 285.097,363.583 302.913,363.583 305.054,361.442 327.152,361.442 327.787,362.077 340.233,362.077 346.075,367.919 350.982,367.919 v1(352.633,369.57)
EXP_AXR0[6]: P11.34 U8.35 | length 115.5
  TOP w0.127: P11.34@255.6,340.081 v1(258.191,340.081) ; v1(353.634,369.57) U8.35@353.634,371.297
  LYR7-SIG w0.127: v1(258.191,340.081) 261.747,340.081 266.471,344.805 270.129,344.805 271.145,345.821 271.145,348.742 285.732,363.329 302.384,363.329 304.526,361.188 328.041,361.188 328.676,361.823 341.523,361.823 347.365,367.665 351.729,367.665 v1(353.634,369.57)
EXP_AXR0[7]: P11.36 U8.29 | length 119.2
  TOP w0.127: P11.36@255.6,339.268 v1(257.429,339.268) ; v1(356.634,369.588) U8.29@356.634,371.297
  LYR7-SIG w0.127: v1(257.429,339.268) 262.128,339.268 266.776,343.916 270.637,343.916 272.034,345.313 272.034,348.935 286.174,363.075 301.77,363.075 303.911,360.934 328.803,360.934 329.438,361.569 341.63,361.569 347.472,367.411 354.457,367.411 v1(356.634,369.588)
EXP_AXR0[8]: P11.21 U8.31 | length 126
  TOP w0.127: v1(247.142,344.881) P11.21@249.86,344.881 ; v1(355.633,369.537) U8.31@355.633,371.297
  LYR7-SIG w0.127: v1(247.142,344.881) 249.301,344.881 271.323,366.903 281.305,366.903 281.686,366.522 321.691,366.522 323.215,364.998 335.153,364.998 335.915,365.76 341.63,365.76 345.313,369.443 345.313,370.078 345.821,370.586 354.584,370.586 v1(355.633,369.537)
EXP_AXR0_9: P11.23 U9.2 | length 29.8
  TOP w0.127: v1(247.929,344.068) P11.23@249.86,344.068 ; U9.2@270.789,338.008 270.789,339.496 v1(270.891,339.598)
  LYR7-SIG w0.127: v1(247.929,344.068) 248.539,344.068 254.279,338.328 257.556,338.328 258.064,337.82 267.081,337.82 268.351,339.09 270.383,339.09 v1(270.891,339.598)
EXP_AXR0_10: P11.25 U9.5 | length 34.1
  TOP w0.127: v1(247.142,343.281) P11.25@249.86,343.281 ; U9.5@272.74,338.008 272.74,339.034 273.177,339.471 v1(273.177,339.598)
  LYR7-SIG w0.127: v1(247.142,343.281) 248.158,343.281 254.254,337.185 267.208,337.185 268.351,338.328 272.034,338.328 273.177,339.471 v1(273.177,339.598)
EXP_AXR1[0]: P11.62 U3.19 | length 45.8
  TOP w0.127: P11.62@255.6,324.866 v1(258.318,324.866) ; U3.19@294.95,336.931 294.95,335.478 v1(295.021,335.407)
  LYR7-SIG w0.127: v1(258.318,324.866) 263.144,324.866 265.049,326.771 280.543,326.771 286.004,332.232 289.306,332.232 290.703,333.629 291.338,333.629 291.973,334.264 294.64,334.264 295.021,334.645 v1(295.021,335.407)
EXP_AXR1[3]: P11.68 U2.2 | length 43.9
  TOP w0.127: P11.68@255.6,322.453 v1(258.445,322.453) ; v1(279.654,339.852) 280.314,340.512 U2.2@280.314,342.453
  LYR7-SIG w0.127: v1(258.445,322.453) 258.191,322.707 258.191,323.723 256.413,325.501 256.413,334.264 258.445,336.296 267.716,336.296 269.24,337.82 277.622,337.82 v1(279.654,339.852)
EXP_AXR1[4]: P11.70 U2.5 | length 47.8
  TOP w0.127: P11.70@255.6,321.666 v1(257.658,321.666) ; v1(282.194,340.868) 282.265,340.939 U2.5@282.265,342.453
  LYR7-SIG w0.127: v1(257.658,321.666) 258.572,321.666 259.461,322.555 259.461,323.723 259.08,324.104 258.318,324.104 256.921,325.501 256.921,333.756 259.017,335.851 268.034,335.851 269.494,337.312 280.416,337.312 281.559,338.455 281.559,340.233 v1(282.194,340.868)
EXP_AXR1[5]: P11.72 U3.16 | length 49.3
  TOP w0.127: P11.72@255.6,320.853 v1(258.521,320.853) ; v1(296.901,334.721) U3.16@296.901,336.931
  LYR7-SIG w0.127: v1(258.521,320.853) 262.509,320.853 267.411,325.755 283.337,325.755 290.83,333.248 291.338,333.248 292.1,334.01 296.189,334.01 v1(296.901,334.721)
EXP_EMIFA_A1: P13.60 U31.35 | length 20.9
  TOP w0.127: U31.35@335.854,297.002 335.854,294.955 336.296,294.513 338.11,294.513 338.872,295.275 v1(338.963,295.275) ; v1(343.154,285.369) 344.272,284.251 P13.60@344.272,282.27
  LYR4-SIG w0.127: v1(338.963,295.275) 338.963,294.513 343.154,290.322 v1(343.154,285.369)
EXP_EMIFA_A2: P13.57 U31.33 | length 23.8
  TOP w0.127: v1(336.855,295.326) U31.33@336.855,297.002 ; v1(343.027,278.384) 343.484,277.927 P13.57@343.484,276.53
  LYR4-SIG w0.127: v1(336.855,295.326) 336.88,295.326 341.884,290.322 341.884,283.464 343.662,281.686 343.662,279.908 343.027,279.273 v1(343.027,278.384)
EXP_EMIFA_CS0N: P13.52 U19.13 | length 32.1
  TOP w0.127: U19.13@338.765,309.692 338.765,307.665 v1(339.09,307.34) ; P13.52@341.071,282.27 v1(341.071,284.175)
  LYR4-SIG w0.127: v1(339.09,307.34) 339.09,306.07 335.915,302.895 335.915,287.528 337.058,286.385 338.861,286.385 v1(341.071,284.175)
EXP_EMIFA_CS4N: P13.43 U31.31 | length 24.4
  TOP w0.127: v1(337.853,274.607) 337.853,276.512 P13.43@337.871,276.53 ; v1(337.853,295.308) U31.31@337.853,297.002
  LYR7-SIG w0.127: v1(337.853,274.607) 337.853,278.267 337.82,278.3 337.82,278.722 337.871,278.773 337.871,295.29 v1(337.853,295.308)
EXP_EMIFA_CS5N: P13.45 U31.29 | length 22.2
  TOP w0.127: v1(338.328,278.511) 338.684,278.155 P13.45@338.684,276.53 ; U31.29@338.854,297.002 339.268,297.002 340.233,296.037 v1(340.233,295.275)
  LYR7-SIG w0.127: v1(338.328,278.511) 338.328,284.861 339.344,285.877 339.344,294.386 v1(340.233,295.275)
EXP_EMIFA_D0: P13.12 U31.53 | length 17.8
  TOP w0.127: v1(320.294,285.242) 320.802,284.734 320.802,283.845 321.056,283.591 P13.12@321.056,282.27 ; v1(325.882,294.361) 326.857,295.336 U31.53@326.857,297.002
  LYR8-SIG w0.127: v1(320.294,285.242) 320.294,288.773 v1(325.882,294.361)
EXP_EMIFA_D1: P13.11 U31.51 | length 29.3
  TOP w0.127: v1(320.802,274.752) 320.802,274.828 321.056,275.082 P13.11@321.056,276.53 ; U31.51@327.856,297.002 327.856,294.317 v1(328.93,293.243)
  LYR8-SIG w0.127: v1(320.802,274.752) 321.056,275.006 321.056,280.162 324.866,283.972 324.866,291.465 326.644,293.243 v1(328.93,293.243)
EXP_EMIFA_D2: P13.14 U31.48 | length 19.7
  TOP w0.127: v1(321.818,285.242) 321.31,284.734 321.31,283.845 321.869,283.286 P13.14@321.869,282.27 ; v1(328.93,294.386) 329.438,294.894 329.438,295.783 329.357,295.864 U31.48@329.357,297.002
  LYR8-SIG w0.127: v1(321.818,285.242) 322.072,285.496 322.072,289.814 326.644,294.386 v1(328.93,294.386)
EXP_EMIFA_D3: P13.13 U31.46 | length 28.1
  TOP w0.127: v1(321.818,274.752) 321.818,274.828 321.869,274.879 P13.13@321.869,276.53 ; v1(330.355,295.328) U31.46@330.355,297.002
  LYR8-SIG w0.127: v1(321.818,274.752) 321.869,274.803 321.869,280.34 325.374,283.845 325.374,288.036 328.549,291.211 328.549,291.719 330.962,294.132 330.962,294.721 v1(330.355,295.328)
EXP_EMIFA_D4: P13.16 U31.44 | length 21.1
  TOP w0.127: v1(321.818,284.226) 322.199,283.845 322.453,283.845 322.656,283.642 P13.16@322.656,282.27 ; v1(330.403,294.386) 331.356,295.339 U31.44@331.356,297.002
  LYR8-SIG w0.127: v1(321.818,284.226) 322.58,284.988 322.58,287.782 323.088,288.29 323.088,290.322 326.517,293.751 329.768,293.751 v1(330.403,294.386)
EXP_EMIFA_D5: P13.15 U31.42 | length 28.6
  TOP w0.127: P13.15@322.656,276.53 322.656,275.006 322.834,274.828 v1(322.834,274.752) ; v1(332.354,295.305) U31.42@332.354,297.002
  LYR8-SIG w0.127: v1(322.834,274.752) 322.834,275.971 327.152,280.289 327.152,285.445 331.978,290.271 331.978,293.497 332.232,293.751 332.486,293.751 332.867,294.132 332.867,294.792 v1(332.354,295.305)
EXP_EMIFA_D6: P13.18 U31.40 | length 22.8
  TOP w0.127: P13.18@323.469,282.27 323.469,281.051 v1(324.231,280.289) ; v1(332.359,294.361) 333.355,295.356 U31.40@333.355,297.002
  LYR8-SIG w0.127: v1(324.231,280.289) 326.644,282.702 326.644,286.639 330.886,290.881 330.886,292.887 v1(332.359,294.361)
EXP_EMIFA_D7: P13.17 U31.37 | length 29.8
  TOP w0.127: P13.17@323.469,276.53 323.469,275.514 v1(324.231,274.752) ; v1(334.391,294.361) 334.879,294.848 334.879,295.885 334.853,295.91 U31.37@334.853,297.002
  LYR8-SIG w0.127: v1(324.231,274.752) 326.974,277.495 327.914,277.495 328.422,278.003 328.422,278.638 329.184,279.4 329.184,285.166 335.026,291.008 335.026,293.726 v1(334.391,294.361)
EXP_EMIFA_D8: P13.22 U16.3 | length 30.7
  TOP w0.127: v1(317.16,302.047) U16.3@317.16,303.718 ; v1(324.231,285.242) 325.044,284.429 P13.22@325.044,282.27
  LYR8-SIG w0.127: v1(317.16,302.047) 317.708,301.498 318.643,301.498 319.151,300.99 319.151,283.972 319.913,283.21 322.199,283.21 v1(324.231,285.242)
EXP_EMIFA_D9: P13.21 U16.6 | length 37.8
  TOP w0.127: v1(318.389,300.99) 319.11,301.711 U16.6@319.11,303.718 ; P13.21@325.044,276.53 325.044,275.031 v1(325.374,274.701)
  LYR8-SIG w0.127: v1(318.389,300.99) 318.77,300.609 318.77,279.019 319.405,278.384 319.405,275.209 320.421,274.193 324.866,274.193 v1(325.374,274.701)
EXP_EMIFA_D10: P13.24 U16.10 | length 38.7
  TOP w0.127: v1(319.761,308.127) U16.10@319.761,309.692 ; v1(324.231,286.258) 325.056,285.433 325.056,285.026 325.857,284.226 P13.24@325.857,282.27
  LYR8-SIG w0.127: v1(319.761,308.127) 321.183,306.705 321.183,296.672 322.453,295.402 322.453,292.1 319.659,289.306 319.659,284.048 320.116,283.591 322.072,283.591 323.088,284.607 323.088,285.115 v1(324.231,286.258)
EXP_EMIFA_D11: P13.23 U16.13 | length 47.7
  TOP w0.127: v1(317.246,307.086) 317.81,307.65 U16.13@317.81,309.692 ; P13.23@325.857,276.53 325.857,275.412 v1(326.517,274.752)
  LYR8-SIG w0.127: v1(317.246,307.086) 317.246,303.911 316.484,303.149 316.484,299.974 316.23,299.72 316.23,286.258 315.595,285.623 315.595,283.507 316.23,282.872 316.23,281.813 317.5,280.543 317.5,279.611 318.897,278.214 318.897,274.574 319.532,273.939 325.704,273.939 v1(326.517,274.752)
EXP_EMIFA_D12: P13.26 U18.3 | length 24
  TOP w0.127: v1(325.882,285.242) 326.644,284.48 P13.26@326.644,282.27 ; v1(331.13,302.199) U18.3@331.13,303.718
  LYR8-SIG w0.127: v1(325.882,285.242) 325.882,287.528 329.692,291.338 329.692,292.354 331.216,293.878 331.216,299.847 331.13,299.933 v1(331.13,302.199)
EXP_EMIFA_D13: P13.25 U18.6 | length 30.6
  TOP w0.127: P13.25@326.644,276.53 v1(326.644,278.384) ; U18.6@333.08,303.718 333.08,302.809 v1(333.756,302.133)
  LYR8-SIG w0.127: v1(326.644,278.384) 327.66,279.4 327.66,285.369 333.248,290.957 333.248,297.561 333.502,297.815 333.502,300.228 333.248,300.482 333.248,301.625 v1(333.756,302.133)
EXP_EMIFA_D14: P13.28 U18.10 | length 31
  TOP w0.127: P13.28@327.457,282.27 327.457,284.404 v1(328.219,285.166) ; v1(333.731,308.127) U18.10@333.731,309.692
  LYR8-SIG w0.127: v1(328.219,285.166) 333.502,290.449 333.502,296.418 334.899,297.815 334.899,306.959 v1(333.731,308.127)
EXP_EMIFA_D15: P13.27 U18.13 | length 40.4
  TOP w0.127: P13.27@327.457,276.53 327.457,278.054 v1(327.787,278.384) ; v1(331.78,308.158) U18.13@331.78,309.692
  LYR8-SIG w0.127: v1(327.787,278.384) 327.787,278.892 328.803,279.908 328.803,285.242 334.518,290.957 334.518,293.37 333.847,294.041 333.847,296.128 335.28,297.561 335.28,307.467 334.112,308.635 332.257,308.635 v1(331.78,308.158)
EXP_EQEP1A: P12.22 U2.3 | length 79.9
  TOP w0.127: v1(280.965,340.909) U2.3@280.965,342.453 ; P12.22@292.506,282.27 292.506,284.302 v1(293.319,285.115)
  LYR4-SIG w0.127: v1(280.965,340.909) 280.965,341.589 280.416,342.138 278.892,342.138 278.13,341.376 278.13,340.36 284.734,333.756 286.766,333.756 287.274,333.248 287.274,316.865 290.195,313.944 295.275,313.944 296.545,312.674 296.545,311.531 296.164,311.15 295.783,311.15 291.465,306.832 291.465,294.132 293.319,292.278 v1(293.319,285.115)
EXP_EQEP1B: P12.24 U2.6 | length 70.8
  TOP w0.127: v1(282.194,338.709) 282.915,339.43 U2.6@282.915,342.453 ; P12.24@293.319,282.27 v1(293.319,284.175)
  LYR4-SIG w0.127: v1(282.194,338.709) 282.194,338.074 286.258,334.01 286.893,334.01 287.782,333.121 287.782,322.453 295.148,315.087 295.148,314.579 296.926,312.801 296.926,310.431 293.581,307.086 292.608,307.086 291.719,306.197 291.719,294.513 293.878,292.354 293.878,284.734 v1(293.319,284.175)
EXP_RESETN: P11.76 P12.36 P13.74 R357.1 | length 206.9
  TOP w0.127: P11.76@255.6,319.253 v1(258.547,319.253) ; v1(297.891,284.302) 298.12,284.074 P12.36@298.12,282.27 ; P13.74@349.86,282.27 349.86,283.566 v1(351.536,285.242) ; R357.1@400.05,326.771 v1(400.05,327.711)
  LYR3-SIG w0.127: v1(297.891,284.302) 298.831,285.242 313.817,285.242 316.103,282.956 349.25,282.956 v1(351.536,285.242)
  LYR7-SIG w0.127: v1(351.536,285.242) 354.965,285.242 365.379,295.656 384.429,295.656 v1(395.859,307.086)
  LYR8-SIG w0.127: v1(258.547,319.253) 261.95,315.849 268.224,315.849 270.51,313.563 270.51,296.164 283.591,283.083 296.672,283.083 v1(297.891,284.302) ; v1(395.859,307.086) 396.748,307.975 396.748,325.374 399.085,327.711 v1(400.05,327.711)
EXP_SPI1_SOMI: P11.45 U11.11 | length 35.8
  TOP w0.127: v1(247.04,331.241) P11.45@249.86,331.241 ; U11.11@273.39,321.122 273.39,322.158 273.939,322.707 v1(273.939,322.834)
  LYR3-SIG w0.127: v1(247.04,331.241) 248.514,331.241 250.063,329.692 257.429,329.692 257.759,329.362 257.767,329.362 258.064,329.065 258.064,329.057 258.318,328.803 269.113,328.803 273.177,324.739 273.177,323.596 v1(273.939,322.834)
FPGA_CLKIN: R617.1 U511.39 | length 55.6
  LYR7-SIG w0.102: 430.53,306.578 430.53,299.159 432.181,297.508 438.224,297.508
  LYR7-SIG w0.127: v3(403.987,308.102) 408.051,312.166 414.655,312.166 415.226,311.594 427.926,311.594 430.53,308.991 430.53,306.578 ; 438.224,297.508 440.129,297.508 v2(440.944,298.323)
  BOTTOM w0.127: R617.1@403.987,306.451 v3(403.987,308.102) ; U511.39@438.277,298.204 439.42,298.204 439.936,297.688 440.309,297.688 v2(440.944,298.323)
FSR0: RN502.13 U502.A5 U502.B6 | length 13.9
  TOP w0.127: RN502.13@431.043,283.642 431.043,285.217 v3(431.068,285.242)
  TOP w0.254: U502.B6@431.731,294.302 v2(432.13,293.901) ; U502.A5@432.532,293.502 v2(432.93,293.101)
  LYR4-SIG w0.102: 430.403,290.957 430.403,291.211 430.784,291.592 430.784,293.116 431.165,293.497 431.726,293.497 v2(432.13,293.901)
  LYR4-SIG w0.127: 430.403,290.957 430.403,285.907 v3(431.068,285.242)
  BOTTOM w0.127: v2(432.13,293.901) v2(432.93,293.101)

## Text inside footprints (layer, text, board x,y; h text height)
R154: PIN_NUMBER "2" at 401.549,290.703 h1.02 r90; PIN_NUMBER "1" at 401.549,292.227 h1.02 r90; SYMB_DIM "0" at 402.463,295.148 h1.02 r90; SYMB_DIM "0" at 405.511,291.973 h1.02 r90; SYMB_DIM "R603-35X45" at 397.129,296.799 h1.02 r90; SYMB_DIM "SP  35X45OV" at 403.352,286.766 h1.02 r90; SYMB_DIM "SM  43X53OV" at 401.574,286.766 h1.02 r90; SYMB_DIM "PAD 35X45OV" at 400.05,286.766 h1.02 r90; ASSEMBLY_BOTTOM "X" at 402.336,290.449 h1.02 r90; ASSEMBLY_BOTTOM "X" at 402.336,291.338 h1.02 r90; ASSEMBLY_BOTTOM "51K" at 402.336,292.1 h1.02 r90
R155: PIN_NUMBER "1" at 397.739,292.227 h1.02 r90; PIN_NUMBER "2" at 397.739,290.703 h1.02 r90; SYMB_DIM "0" at 398.653,295.148 h1.02 r90; SYMB_DIM "0" at 401.701,291.973 h1.02 r90; SYMB_DIM "R603-35X45" at 393.319,296.799 h1.02 r90; SYMB_DIM "SP  35X45OV" at 399.542,286.766 h1.02 r90; SYMB_DIM "SM  43X53OV" at 397.764,286.766 h1.02 r90; SYMB_DIM "PAD 35X45OV" at 396.24,286.766 h1.02 r90; ASSEMBLY_BOTTOM "X" at 398.526,290.449 h1.02 r90; ASSEMBLY_BOTTOM "X" at 398.526,291.338 h1.02 r90; ASSEMBLY_BOTTOM "51K" at 398.526,292.1 h1.02 r90
R156: PIN_NUMBER "1" at 393.929,292.227 h1.02 r90; PIN_NUMBER "2" at 393.929,290.703 h1.02 r90; SYMB_DIM "0" at 394.843,295.148 h1.02 r90; SYMB_DIM "0" at 397.891,291.973 h1.02 r90; SYMB_DIM "R603-35X45" at 389.509,296.799 h1.02 r90; SYMB_DIM "SP  35X45OV" at 395.732,286.766 h1.02 r90; SYMB_DIM "SM  43X53OV" at 393.954,286.766 h1.02 r90; SYMB_DIM "PAD 35X45OV" at 392.43,286.766 h1.02 r90; ASSEMBLY_BOTTOM "X" at 394.716,290.449 h1.02 r90; ASSEMBLY_BOTTOM "X" at 394.716,291.338 h1.02 r90; ASSEMBLY_BOTTOM "51K" at 394.716,292.1 h1.02 r90
R157: PIN_NUMBER "1" at 395.834,292.227 h1.02 r90; PIN_NUMBER "2" at 395.834,290.703 h1.02 r90; SYMB_DIM "0" at 396.748,295.148 h1.02 r90; SYMB_DIM "0" at 399.796,291.973 h1.02 r90; SYMB_DIM "R603-35X45" at 391.414,296.799 h1.02 r90; SYMB_DIM "SP  35X45OV" at 397.637,286.766 h1.02 r90; SYMB_DIM "SM  43X53OV" at 395.859,286.766 h1.02 r90; SYMB_DIM "PAD 35X45OV" at 394.335,286.766 h1.02 r90; ASSEMBLY_BOTTOM "X" at 396.621,290.449 h1.02 r90; ASSEMBLY_BOTTOM "X" at 396.621,291.338 h1.02 r90; ASSEMBLY_BOTTOM "51K" at 396.621,292.1 h1.02 r90
R158: PIN_NUMBER "1" at 383.769,290.068 h1.02 r270; PIN_NUMBER "2" at 383.769,291.592 h1.02 r270; SYMB_DIM "0" at 383.667,287.147 h1.02 r270; SYMB_DIM "0" at 380.619,290.322 h1.02 r270; SYMB_DIM "R603-35X45" at 389.001,285.496 h1.02 r270; SYMB_DIM "SP  35X45OV" at 382.778,295.529 h1.02 r270; SYMB_DIM "SM  43X53OV" at 384.556,295.529 h1.02 r270; SYMB_DIM "PAD 35X45OV" at 386.08,295.529 h1.02 r270; ASSEMBLY_BOTTOM "X" at 383.794,291.846 h1.02 r270; ASSEMBLY_BOTTOM "X" at 383.794,290.957 h1.02 r270; ASSEMBLY_BOTTOM "51K" at 383.794,290.195 h1.02 r270
R159: PIN_NUMBER "2" at 385.674,291.592 h1.02 r270; PIN_NUMBER "1" at 385.674,290.068 h1.02 r270; SYMB_DIM "0" at 385.572,287.147 h1.02 r270; SYMB_DIM "0" at 382.524,290.322 h1.02 r270; SYMB_DIM "R603-35X45" at 390.906,285.496 h1.02 r270; SYMB_DIM "SP  35X45OV" at 384.683,295.529 h1.02 r270; SYMB_DIM "SM  43X53OV" at 386.461,295.529 h1.02 r270; SYMB_DIM "PAD 35X45OV" at 387.985,295.529 h1.02 r270; ASSEMBLY_BOTTOM "X" at 385.699,291.846 h1.02 r270; ASSEMBLY_BOTTOM "X" at 385.699,290.957 h1.02 r270; ASSEMBLY_BOTTOM "51K" at 385.699,290.195 h1.02 r270
R160: PIN_NUMBER "1" at 400.406,276.86 h1.02; PIN_NUMBER "2" at 398.882,276.86 h1.02; SYMB_DIM "0" at 403.733,276.352 h1.02; SYMB_DIM "0" at 400.558,273.304 h1.02; SYMB_DIM "R603-35X45" at 405.384,281.686 h1.02; SYMB_DIM "SP  35X45OV" at 395.351,275.463 h1.02; SYMB_DIM "SM  43X53OV" at 395.351,277.241 h1.02; SYMB_DIM "PAD 35X45OV" at 395.351,278.765 h1.02; ASSEMBLY_BOTTOM "X" at 399.034,276.479 h1.02; ASSEMBLY_BOTTOM "X" at 399.923,276.479 h1.02; ASSEMBLY_BOTTOM "51K" at 400.685,276.479 h1.02
R161: PIN_NUMBER "1" at 395.072,276.86 h1.02 r180; PIN_NUMBER "2" at 396.596,276.86 h1.02 r180; SYMB_DIM "0" at 392.557,277.368 h1.02 r180; SYMB_DIM "0" at 395.732,280.416 h1.02 r180; SYMB_DIM "R603-35X45" at 390.906,272.034 h1.02 r180; SYMB_DIM "SP  35X45OV" at 400.939,278.257 h1.02 r180; SYMB_DIM "SM  43X53OV" at 400.939,276.479 h1.02 r180; SYMB_DIM "PAD 35X45OV" at 400.939,274.955 h1.02 r180; ASSEMBLY_BOTTOM "X" at 397.256,277.241 h1.02 r180; ASSEMBLY_BOTTOM "X" at 396.367,277.241 h1.02 r180; ASSEMBLY_BOTTOM "51K" at 395.605,277.241 h1.02 r180
R162: PIN_NUMBER "1" at 390.881,276.86 h1.02; PIN_NUMBER "2" at 389.357,276.86 h1.02; SYMB_DIM "0" at 394.208,276.352 h1.02; SYMB_DIM "0" at 391.033,273.304 h1.02; SYMB_DIM "R603-35X45" at 395.859,281.686 h1.02; SYMB_DIM "SP  35X45OV" at 385.826,275.463 h1.02; SYMB_DIM "SM  43X53OV" at 385.826,277.241 h1.02; SYMB_DIM "PAD 35X45OV" at 385.826,278.765 h1.02; ASSEMBLY_BOTTOM "X" at 389.509,276.479 h1.02; ASSEMBLY_BOTTOM "X" at 390.398,276.479 h1.02; ASSEMBLY_BOTTOM "51K" at 391.16,276.479 h1.02
R163: PIN_NUMBER "1" at 384.912,276.86 h1.02 r180; PIN_NUMBER "2" at 386.436,276.86 h1.02 r180; SYMB_DIM "0" at 382.397,277.368 h1.02 r180; SYMB_DIM "0" at 385.572,280.416 h1.02 r180; SYMB_DIM "R603-35X45" at 380.746,272.034 h1.02 r180; SYMB_DIM "SP  35X45OV" at 390.779,278.257 h1.02 r180; SYMB_DIM "SM  43X53OV" at 390.779,276.479 h1.02 r180; SYMB_DIM "PAD 35X45OV" at 390.779,274.955 h1.02 r180; ASSEMBLY_BOTTOM "X" at 387.096,277.241 h1.02 r180; ASSEMBLY_BOTTOM "X" at 386.207,277.241 h1.02 r180; ASSEMBLY_BOTTOM "51K" at 385.445,277.241 h1.02 r180
R164: PIN_NUMBER "1" at 403.657,290.957 h0.51 r270; PIN_NUMBER "2" at 403.657,291.973 h0.51 r270; ASSEMBLY_BOTTOM "NO-POP" at 403.86,291.465 h0.64 r270; ASSEMBLY_BOTTOM "TOLERANCE" at 401.32,291.465 h0.64 r270; ASSEMBLY_BOTTOM "USERPART#" at 400.05,291.465 h0.64 r270; SYMBOL_PART_DIM "PAD 35X32 OV" at 399.085,288.341 h0.64 r270; SYMBOL_PART_DIM "C402-35X32" at 400.355,288.341 h0.64 r270; SYMBOL_PART_DIM "0" at 401.726,291.262 h0.64 r270; SYMBOL_PART_DIM "0" at 403.53,289.128 h0.64 r270
R165: PIN_NUMBER "1" at 399.847,290.957 h0.51 r270; PIN_NUMBER "2" at 399.847,291.973 h0.51 r270; ASSEMBLY_BOTTOM "NO-POP" at 400.05,291.465 h0.64 r270; ASSEMBLY_BOTTOM "TOLERANCE" at 397.51,291.465 h0.64 r270; ASSEMBLY_BOTTOM "USERPART#" at 396.24,291.465 h0.64 r270; SYMBOL_PART_DIM "PAD 35X32 OV" at 395.275,288.341 h0.64 r270; SYMBOL_PART_DIM "C402-35X32" at 396.545,288.341 h0.64 r270; SYMBOL_PART_DIM "0" at 397.916,291.262 h0.64 r270; SYMBOL_PART_DIM "0" at 399.72,289.128 h0.64 r270